# Altium PCB A_base2017.PcbDoc (part 1 of 4) (continued)
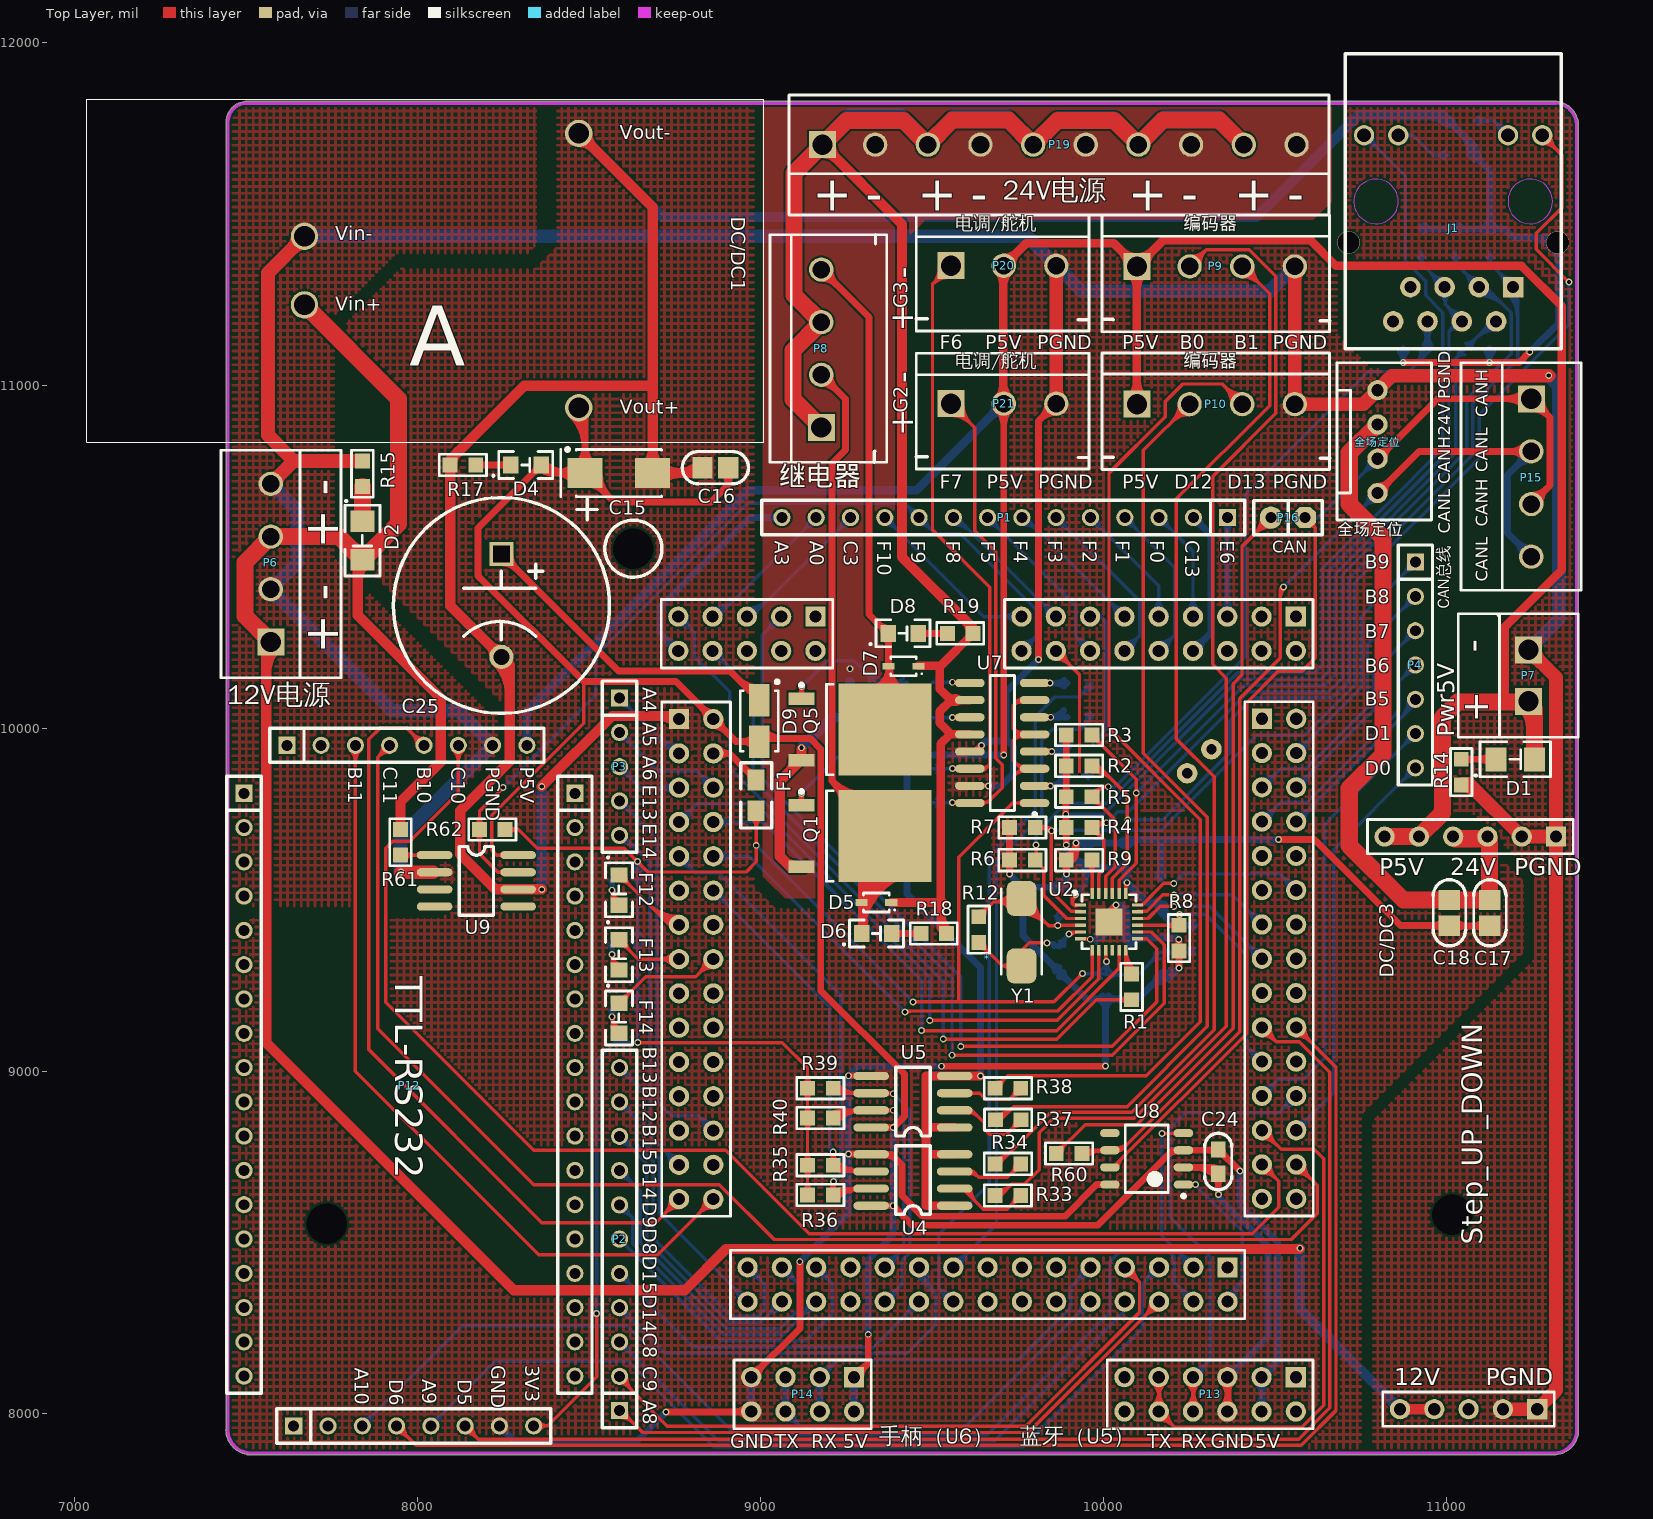
[diagram p0: Top Layer view]
## Footprints (in the part's own frame and the unit in brackets; to place one, negate y for a bottom-side part, rotate by r counter-clockwise, add the part's x,y. Pads: shape width x height; smd on the part's side, far side on the other; paste and mask are expansions set on the pad) (continued)
  round 1.524 hole 0.762: 119(-13.538,14.293) 120(-11.76,12.497)
  silkscreen extent -24.64,-26.47 28.65,21.84
TJA1050 [mm] "SOIC, 8-Leads, Body 4.90x3.90mm, Pitch 1.27mm, IPC Medium Density"
  oval 1.45x0.6 smd: 1(-2.725,1.905) 2(-2.725,0.635) 3(-2.725,-0.635) 4(-2.725,-1.905) 5(2.725,-1.905) 6(2.725,-0.635) 7(2.725,0.635) 8(2.725,1.905)
  silkscreen extent -2.85,-2.5 1.6,2.88, body extent -2,-2.5 2,2.5, height 1.75
TTL-RS232_V5 [mil]
  rect 50x50 hole 32: 1(-1023,350) 1(822,-470) 1(822,495) 9(962,370)
  round 50 hole 32: 1(-878,-470) 1(-878,495) 1(-778,-470) 1(-778,495) 1(-678,-470) 1(-678,495) 1(-578,-470) 1(-578,495) 1(-478,495) 1(-478,-470) 1(-378,495) 1(-378,-470) 1(-278,495) 1(-278,-470) 1(-178,495) 1(-178,-470) 1(-78,495) 1(-78,-470) 1(22,495) 1(22,-470) 1(122,495) 1(122,-470) 1(222,495) 1(222,-470) 1(322,495) 1(322,-470) 1(422,495) 1(422,-470) 1(522,-470) 1(522,495) 1(622,-470) 1(622,495) 1(722,-470) 1(722,495) 2(-1023,250) 3(-1023,150) 4(-1023,50) 5(-1023,-50) 6(-1023,-150) 7(-1023,-250) 8(-1023,-350) 10(962,270) 11(962,170) 12(962,70) 13(962,-30) 14(962,-130) 15(962,-230) 16(962,-330)
  silkscreen extent -1073,-520 1012,545

## Part data
C1 C2 C3 C4 C5 C6 C7 C8 C9 C10 C11 C12 C13 C14 C24: library part CAP
C25: library part CAP-ELE, "电解电容"
D5 D7 D9: library part DIODE-Schottky, "肖特基二极管"
D6 D8: library part LED, "LED"
DC/DC1: "12ת5"
DC/DC3: library part Step_DOWN
F1: library part 00-FUSE, "FUSE"
P1: "Header, 14-Pin"
P2: "Header, 11-Pin"
P3: "Header, 5-Pin"
P4: "Header, 7-Pin"
P6 P8 P9 P10 P15 全场定位: "Header, 4-Pin"
P7 P16: "Header, 2-Pin"
P13: "Header, 6-Pin, Dual row"
P14: "Header, 4-Pin, Dual row"
P19: "Header, 10-Pin"
P20 P21: "Header, 3-Pin"
Q1 Q5: "IRF530"
R1 R2 R3 R4 R5 R6 R7 R8 R9 R10 R11 R12 R13 R14 R15 R18 R19 R21 R22 R27 R28 R30 R31 R33 R34 R35 R36 R37 R38 R39 R40 R60 R61 R62: library part RES, "电阻"
R17 R45 R46 R49 R50 R56 R57 R58: "电阻"
U2: library part LAN8720, "ETH PHY"
U7: library part IC-TLP521-4, "TLP521-4,TLP281-4"
U8: "CAN总线收发器"
Y1: library part C-Osc, "Crystal Oscillator"

## Free pads (board coordinates)
  round 30 hole 118.11: 0(7734.41,8555.12) 0(11016.89,8580.71) 3(8628.94,10523.62)

## Via types
v1: diameter 20, hole 12, Top Layer to Bottom Layer, 86 vias
v2: diameter 12, hole 12, Top Layer to Bottom Layer, 1 vias

## Nets (pads, with @x,y where several pads share a name; then routed paths per layer and width w, separated by ;. In a path a pad name is that pad's centre, name@x,y a point inside that pad or via, vN(x,y) a via of type N, cw(c..) or ccw(c..) an arc to the next point about the centre after c; other vN are vias at no path point)
3V3: C8.2 C12.2 F1.2 P12.8 R13.1 R35.2 R36.2 R39.2 R40.2 R56.2 R57.2 R58.2 R62.1 U2.9 U7.1 U7.3 U7.5 U7.7 | length 8441.7
  Top Layer w10: R62.1@8254.92,9704.72 8293.2,9704.72 ; R62.1@8267.11,9693.37 cw(c8293.2,9669.07) 8293.2,9704.72 ; R62.1@8267.11,9716.08 ccw(c8293.2,9740.38) 8293.2,9704.72 ; P12.8@8338.19,7965.19 8378.57,7965.19 ; P12.8@8354.1,7953.07 cw(c8378.57,7934.42) 8378.57,7965.19 ; P12.8@8354.1,7977.31 ccw(c8378.57,7995.96) 8378.57,7965.19 ; v1@8518.12,8289.77 cw(c8509.58,8281.24) 8521.65,8281.24 cw(c8533.72,8281.24) v1@8525.19,8289.77 ; v1(8521.65,8293.31) 8521.65,8108.27 8378.57,7965.19 ; v1@8635.75,9611.22 ccw(c8623.68,9611.22) 8632.21,9619.76 ccw(c8640.75,9628.29) v1@8640.75,9616.22 ; v1@8640.75,9606.22 cw(c8640.75,9594.15) 8649.28,9602.68 cw(c8657.82,9611.22) v1@8645.75,9611.22 ; v1(8641.73,9083) 9063.65,9083 9136.81,9009.84 R39.2@9136.81,8949.8 R40.2@9136.81,8863.19 R35.2@9136.81,8725.39 R36.2@9136.81,8638.78 ; v1@8645.27,9079.46 cw(c8653.8,9070.93) 8653.8,9083 cw(c8653.8,9095.07) v1@8645.27,9086.54 ; F1.2@8972.86,9739.86 cw(c8938.22,9705.22) 8987.2,9705.22 ; v1@8983.67,9654.93 cw(c8975.13,9646.39) 8987.2,9646.39 cw(c8999.28,9646.39) v1@8990.74,9654.93 ; v1@8983.67,9662 ccw(c8975.13,9670.54) 8987.2,9670.54 ccw(c8999.28,9670.54) v1@8990.74,9662 ; 8987.2,9706.21 cw(c9034.79,9706.21) F1.2@9001.14,9739.86 ; F1.2@8987.2,9759.84 8987.2,9610.24 8957.67,9580.71 8671.26,9580.71 v1(8640.75,9611.22) 8602.37,9649.6 8348.32,9649.6 8293.2,9704.72 ; R36.2@9125.04,8650.56 ccw(c9096.61,8678.98) 9136.81,8678.98 ccw(c9177.02,8678.98) R36.2@9148.59,8650.56 ; R35.2@9125.04,8713.62 cw(c9096.61,8685.19) 9136.81,8685.19 cw(c9177.02,8685.19) R35.2@9148.59,8713.62 ; R35.2@9125.04,8737.17 ccw(c9096.61,8765.6) 9136.81,8765.6 ccw(c9177.02,8765.6) R35.2@9148.59,8737.17 ; R40.2@9125.04,8851.41 cw(c9096.61,8822.98) 9136.81,8822.98 cw(c9177.02,8822.98) R40.2@9148.59,8851.41 ; R40.2@9125.04,8874.97 ccw(c9096.61,8903.39) 9136.81,8903.39 ccw(c9177.02,8903.39) R40.2@9148.59,8874.97 ; R39.2@9125.04,8938.03 cw(c9096.61,8909.6) 9136.81,8909.6 cw(c9177.02,8909.6) R39.2@9148.59,8938.03 ; R39.2@9125.04,8961.58 ccw(c9096.61,8990.01) 9136.81,8990.01 ccw(c9177.02,8990.01) R39.2@9148.59,8961.58 ; v1(9443.9,9201.77) 9577.76,9201.77 ; v1@9447.43,9198.24 cw(c9455.97,9189.7) 9455.97,9201.77 cw(c9455.97,9213.84) v1@9447.43,9205.31 ; 9740.16,9781.81 9740.16,9862.32 U7.3@9759.65,9881.81 ; 9742.31,9864.48 cw(c9767.72,9839.07) U7.3@9767.72,9875 ; 9742.98,9898.87 ccw(c9767.72,9923.6) U7.3@9767.72,9888.62 ; 9748.63,10079.45 cw(c9763.34,10064.74) U7.7@9768.51,10084.9 ; 9750.54,9979.01 cw(c9765.38,9964.18) U7.5@9768.14,9984.97 ; 9750.54,9984.61 ccw(c9765.38,9999.45) U7.5@9768.14,9978.65 ; U7.1@9762.9,9776.99 ccw(c9751.27,9765.37) 9751.27,9781.81 ccw(c9751.27,9798.25) U7.1@9762.9,9786.63 ; U7.7@9762.9,10076.99 ccw(c9751.27,10065.37) 9751.27,10081.81 ccw(c9751.27,10098.25) U7.7@9762.9,10086.63 ; U7.7@9766.03,10075.21 ccw(c9758.29,10044.98) 9736.22,10067.05 ; U7.5@9766.82,9975.06 ccw(c9762.03,9938.88) 9736.22,9964.69 ; U7.5@9766.82,9988.56 cw(c9762.03,10024.74) 9736.22,9998.94 ; U7.1@9799.21,9781.81 9735.55,9781.81 9577.76,9624.02 9577.76,9201.77 ; U7.3@9799.21,9881.81 9760.04,9881.81 9736.22,9905.63 9736.22,9964.69 ; U7.7@9799.21,10081.81 9750.98,10081.81 9736.22,10067.05 ; v1@9933.3,9284.45 cw(c9921.23,9284.45) 9929.76,9275.91 cw(c9938.3,9267.38) v1@9938.3,9279.45 ; v1(9938.3,9284.45) 9855.62,9201.77 9577.76,9201.77 ; 10006.18,9336.63 ccw(c10025.48,9336.63) v1@10011.83,9322.98 ; U2.9@10006.18,9352.51 10006.18,9321.57 v1(10008.3,9319.45) ; 9736.22,9964.69 9753.35,9981.81 9736.22,9998.94 ; 9736.22,9998.94 9736.22,10067.05
  Bottom Layer w10: v1@8518.12,8296.84 ccw(c8509.58,8305.38) 8521.65,8305.38 ccw(c8533.72,8305.38) v1@8525.19,8296.84 ; v1(8521.65,8293.31) 8521.65,9031.5 8573.16,9083 8642,9083 8642,9165.09 ; R58.2@8629.96,9204.69 ccw(c8601.53,9233.12) 8641.73,9233.12 ccw(c8681.94,9233.12) R58.2@8653.51,9204.69 ; R57.2@8629.96,9371.1 cw(c8601.53,9342.67) 8641.73,9342.67 cw(c8681.94,9342.67) R57.2@8653.51,9371.1 ; R57.2@8629.96,9394.65 ccw(c8601.53,9423.08) 8641.73,9423.08 ccw(c8681.94,9423.08) R57.2@8653.51,9394.65 ; R56.2@8629.96,9560.07 cw(c8601.53,9531.65) 8641.73,9531.65 cw(c8681.94,9531.65) R56.2@8653.51,9560.07 ; R56.2@8629.96,9583.63 ccw(c8603.9,9609.68) v1@8640.75,9609.68 ; R58.2@8633.99,9178.17 cw(c8627.26,9165.36) 8641.73,9165.36 ; v1@8636.42,9608.72 cw(c8624.78,9602) 8637.76,9598.53 ; v1@8637.21,9607.68 cw(c8628.68,9599.15) 8640.75,9599.15 cw(c8652.82,9599.15) v1@8644.28,9607.68 ; v1@8638.2,9079.46 ccw(c8629.66,9070.93) 8629.66,9083 ccw(c8629.66,9095.07) 8638.2,9086.54 ccw(c8629.01,9095.72) 8642,9095.72 ; 8638.26,9600.39 cw(c8648.6,9597.62) v1@8643.25,9606.89 ; v1@8638.25,9606.89 cw(c8632.21,9596.44) 8643.87,9599.56 cw(c8655.53,9602.68) v1@8645.08,9608.72 ; 8642,9094.42 ccw(c8653.16,9094.42) v1@8645.27,9086.54 ; R58.2@8649.48,9178.17 ccw(c8656.21,9165.36) 8641.73,9165.36 ; R56.2@8652.82,9584.28 cw(c8676.85,9611.22) v1(8640.75,9611.22) 8640.75,9572.83 R56.2@8641.73,9571.85 R57.2@8641.73,9382.87 8641.73,9165.35 ; v1@8987.2,9653.46 cw(c8987.2,9641.39) 8995.74,9649.93 cw(c9004.28,9658.46) v1@8992.2,9658.46 ; v1(8987.2,9658.46) v1(9443.9,9201.77) ; v1@9438.9,9201.77 ccw(c9426.83,9201.77) 9435.36,9210.31 ccw(c9443.9,9218.84) v1@9443.9,9206.77 ; v1(9938.3,9284.45) 10002.68,9284.45 C8.2@10006.02,9281.1 10101.02,9281.1 C12.2@10166.02,9346.1 R13.1@10266.02,9346.1 ; v1@9941.83,9280.91 cw(c9950.37,9272.38) 9950.37,9284.45 cw(c9950.37,9296.52) v1@9941.83,9287.98 ; 9962.49,9284.45 cw(c9962.49,9239.54) C8.2@9994.25,9271.29 ; 9969.15,9284.45 ccw(c9969.15,9319.95) C8.2@9994.25,9294.85 ; C8.2@9996.47,9296.71 ccw(c9980.54,9319.45) v1(10008.3,9319.45) C8.2@10008.3,9283.38 ; v1@10003.97,9316.95 cw(c9993.51,9310.91) 10005.18,9307.79 cw(c10016.83,9304.67) v1@10010.8,9315.12 ; v1@10004.76,9315.91 cw(c9996.23,9307.38) 10008.3,9307.38 cw(c10020.37,9307.38) v1@10011.83,9315.91 ; v1@10005.8,9315.12 cw(c10000.5,9305.94) 10010.74,9308.68 ; v1@10008.3,9317.78 ccw(c10040.73,9317.78) C8.2@10017.8,9294.85 ; 10011.28,9306.67 cw(c10024.36,9310.18) v1@10012.63,9316.95 ; C8.2@10017.8,9269.33 cw(c10046.23,9240.9) 10046.23,9281.1 cw(c10046.23,9321.31) C8.2@10017.8,9292.88 ; 10134.23,9314.31 cw(c10166.02,9282.52) C12.2@10166.02,9327.48 ; 10138.99,9319.06 ccw(c10113.92,9344.13) C12.2@10149.37,9344.13 ; C12.2@10177.8,9334.33 cw(c10206.23,9305.9) 10206.23,9346.1 cw(c10206.23,9386.31) C12.2@10177.8,9357.88 ; 10220.38,9346.1 ccw(c10220.38,9399.62) R13.1@10258.22,9361.78 ; 10239.2,9346.1 cw(c10239.2,9319.2) R13.1@10258.22,9338.22 ; 10244.53,9346.1 ccw(c10244.53,9375.47) R13.1@10265.3,9354.7
3V3_E: C1.2 C9.2 C10.2 C13.2 J1.4 J1.5 R2.2 R3.2 R4.2 R5.2 R13.2 U2.1 U2.19 | length 4858.5
  Top Layer w10: 9908.3,9487.52 cw(c9934.96,9487.52) v1@9920.93,9510.2 ; 9908.3,9505.47 cw(c9923.85,9505.47) v1@9915.67,9518.7 ; v1@9913.3,9514.45 cw(c9901.23,9514.45) 9909.76,9505.91 cw(c9918.3,9497.38) v1@9918.3,9509.45 ; v1(9918.3,9514.45) 9908.3,9504.45 9908.3,9489.45 ; U2.1@9922.48,9484.37 cw(c9920.76,9501.91) 9908.3,9489.45 ; U2.1@9922.53,9484.39 cw(c9917.94,9489.09) 9913.3,9484.45 ; U2.1@9933.3,9484.45 9913.3,9484.45 ; U2.19@10065.24,9517.96 10065.24,9546.39 v1(10068.3,9549.45) ; U2.19@10065.24,9529.98 cw(c10087.76,9529.98) v1@10071.83,9545.91 ; 9908.3,9489.45 9913.3,9484.45
  Top Layer w20: R4.2@9882.98,9702 cw(c9862.42,9681.44) 9891.5,9681.44 ; R4.2@9882.98,9718.48 ccw(c9866.6,9734.85) 9889.76,9734.85 ; R5.2@9882.98,9792 cw(c9866.6,9775.62) 9889.76,9775.62 ; R5.2@9882.98,9808.48 ccw(c9863.09,9828.37) 9891.22,9828.37 ccw(c9919.35,9828.37) R5.2@9899.46,9808.48 ; R2.2@9882.98,9882 cw(c9863.09,9862.1) 9891.22,9862.1 cw(c9919.35,9862.1) R2.2@9899.46,9882 ; R2.2@9882.98,9898.48 ccw(c9863.09,9918.37) 9891.22,9918.37 ccw(c9919.35,9918.37) R2.2@9899.46,9898.48 ; R3.2@9882.98,9972 cw(c9863.09,9952.1) 9891.22,9952.1 cw(c9919.35,9952.1) R3.2@9899.46,9972 ; R4.2@9889.76,9711.69 v1(9889.76,9749) R5.2@9889.76,9798.78 ; v1@9889.76,9741.89 ccw(c9922.87,9741.89) R4.2@9899.46,9718.48 ; 9889.76,9768.58 cw(c9922.87,9768.58) R5.2@9899.46,9792 ; R5.2@9891.22,9800.24 R2.2@9891.22,9890.24 R3.2@9891.22,9980.24 ; v1(9891.5,9659.45) R4.2@9891.5,9709.96 ; 9891.5,9682.77 cw(c9918.69,9682.77) R4.2@9899.46,9702
  Bottom Layer w10: v1(9889.76,9749) 10000.98,9749.02 10395.39,10143.42 10635.54,10143.42 10657.48,10165.35 10657.48,10458.5 11007.54,10808.55 11007.54,11157.14 ; v1@9893.3,9745.46 cw(c9901.87,9736.89) 9901.87,9749.02 ; v1@9893.3,9752.54 ccw(c9901.8,9761.03) 9901.8,9749.02 ; v1(9918.3,9514.45) 9951.02,9547.17 C9.2@9951.02,9594.37 ; v1@9918.3,9519.45 ccw(c9918.3,9531.52) 9926.83,9522.98 ccw(c9935.37,9514.45) v1@9923.3,9514.45 ; C9.2@9939.25,9580.63 cw(c9910.82,9552.2) 9951.02,9552.2 cw(c9991.23,9552.2) C9.2@9962.8,9580.63 ; v1@10066.02,9551.72 v1(10068.3,9549.45) ; C13.2@10165.5,9489.89 C13.2@10166.02,9489.37 ; C1.2@10917.25,11373.4 cw(c10905.89,11356.26) 10926.46,11356.26 ; C1.2@10926.46,11389.25 10926.46,11356.26 ; C1.2@10935.66,11373.4 ccw(c10947.02,11356.26) 10926.46,11356.26 ; 10951.2,11331.51 cw(c10906.11,11286.42) J1.5@10969.88,11286.42 ; 10954.62,11328.09 ccw(c10994.88,11368.35) J1.5@10994.88,11311.42 ; 10968.27,11314.44 cw(c10940.25,11286.42) J1.5@10979.88,11286.42 ; 10971.69,11311.02 ccw(c10994.88,11334.21) J1.5@10994.88,11301.42 ; J1.5@10980.86,11265.72 cw(c10960.82,11236.16) 10996.54,11236.16 cw(c11037.31,11236.16) J1.5@11011.01,11267.31 ; J1.5@10986.47,11274 cw(c10973.6,11255.01) 10996.54,11255.01 ; 11001.2,11231.51 cw(c10956.11,11186.42) 11019.88,11186.42 cw(c10979.01,11186.42) 11007.91,11157.52 ; 11004.62,11228.09 ccw(c11044.88,11268.35) J1.4@11044.88,11211.42 ; 11018.27,11214.44 cw(c10990.25,11186.42) J1.4@11029.88,11186.42 ; 11018.38,11167.99 cw(c11032.33,11154.05) J1.4@11039.46,11172.43 ; 11021.69,11211.02 ccw(c11044.88,11234.21) J1.4@11044.88,11201.42 ; J1.4@11035.84,11163.11 ccw(c11026.27,11138.41) 11007.54,11157.14 ; 10926.46,11356.26 10996.54,11286.18 10996.54,11236.18 11046.54,11186.18 11036.57,11186.18 11007.54,11157.14
  Bottom Layer w20: 9901.77,9634.65 cw(c9926.57,9659.45) v1(9891.5,9659.45) 9891.5,9644.92 9942.05,9594.37 C9.2@9951.02,9594.37 C10.2@10066.02,9594.37 v1@10066.02,9551.72 ; 9912.45,9623.97 ccw(c9951.02,9662.55) C9.2@9951.02,9607.99 ; C9.2@9959.26,9586.13 cw(c9979.16,9566.24) 9979.16,9594.37 cw(c9979.16,9622.5) C9.2@9959.26,9602.61 ; C10.2@10057.78,9584.16 cw(c10037.89,9564.27) 10066.02,9564.27 cw(c10094.16,9564.27) C10.2@10074.26,9584.16 ; C10.2@10057.78,9586.13 ccw(c10037.89,9566.24) 10037.89,9594.37 ccw(c10037.89,9622.5) C10.2@10057.78,9602.61 ; v1(10068.3,9549.45) 10127.86,9489.89 C13.2@10165.5,9489.89 ; 10136.63,9489.89 cw(c10136.63,9459.98) C13.2@10157.78,9481.13 ; 10139.14,9489.89 ccw(c10139.14,9516.25) C13.2@10157.78,9497.61 ; C13.2@10157.68,9487.4 ccw(c10194.27,9487.4) 10168.4,9461.53 ; C13.2@10158.97,9478.13 cw(c10148.15,9463.9) 10166.02,9463.9 ; C13.2@10166.02,9489.37 10166.02,9463.9 ; C13.2@10173.08,9478.13 ccw(c10183.9,9463.9) 10166.02,9463.9 ; C13.2@10177.68,9487.4 ccw(c10262.55,9487.4) 10202.54,9427.38 ; R13.2@10261.76,9416.56 ccw(c10241.87,9396.67) 10241.87,9424.8 ccw(c10241.87,9452.94) R13.2@10261.76,9433.04 ; R13.2@10266.02,9424.8 10205.12,9424.8 10166.02,9463.9
5V: *.30 C15.1 C16.2 C24.1 D4.1 D9.A DC/DC1.Vout+ P13.3 P13.4 P14.1 P14.2 U4.8 U5.8 U8.3 U9.8 | length 9019.3
  Top Layer w10: U9.8@8248.07,9624.97 ccw(c8236.12,9613.02) 8236.12,9629.92 ccw(c8236.12,9646.82) U9.8@8248.07,9634.87 ; U9.8@8292.83,9629.92 8230.32,9629.92 8215.55,9644.69 8215.55,9745.95 8484.25,10014.65 8484.25,10135.83
  Top Layer w20: 8334.05,10742.11 cw(c8359.65,10716.5) D4.1@8359.65,10752.72 ; D4.1@8340.08,10748.15 ccw(c8323.01,10765.22) D4.1@8347.15,10765.22 ; D4.1@8354.35,10759.91 ccw(c8392.54,10798.1) 8392.54,10744.09 ; D4.1@8360.43,10752.74 cw(c8362.27,10723.09) 8383.27,10744.1 ; D4.1@8368.49,10774.06 ccw(c8440.82,10846.39) C15.1@8440.82,10744.09 ; D4.1@8372.15,10765.22 ccw(c8396.3,10765.22) D4.1@8379.22,10748.15 ; DC/DC1.Vout+@8448.47,10913.43 cw(c8352.59,10817.55) 8488.19,10817.55 ; C15.1@8456.76,10720.54 ccw(c8399.9,10663.68) 8399.9,10744.09 ccw(c8399.9,10824.5) C15.1@8456.76,10767.65 ; DC/DC1.Vout+@8462.61,10927.57 cw(c8400.87,10865.83) 8488.19,10865.83 ; C15.1@8464.64,10767.65 ccw(c8407.78,10824.5) 8488.19,10824.5 ccw(c8568.6,10824.5) C15.1@8511.74,10767.65 ; DC/DC1.Vout+@8468.7,10935.63 8488.19,10916.14 C15.1@8488.19,10744.09 ; C15.1@8496.06,10710.79 cw(c8496.06,10649.39) 8539.48,10692.8 ; C15.1@8509.37,10744.09 ccw(c8560.51,10744.09) C15.1@8524.35,10707.94 ; C15.1@8529.37,10744.09 ccw(c8628.79,10744.09) 8558.49,10673.79 ; *.30@8842.44,10026.51 ccw(c8795.3,10026.51) 8828.63,10059.85 ccw(c8861.97,10093.18) *.30@8861.97,10046.04 ; *.30@8861.97,10006.98 cw(c8861.97,9959.84) 8895.3,9993.18 cw(c8928.64,10026.51) *.30@8881.5,10026.51 ; C16.2@8891.7,10744.07 cw(c8858.37,10710.73) 8905.51,10710.73 cw(c8952.66,10710.73) C16.2@8919.32,10744.07 ; C16.2@8905.51,10759.84 8905.51,10709.65 8855.32,10659.45 8572.83,10659.45 C15.1@8488.19,10744.09 ; D9.A@8981.5,9946.46 ccw(c8946.48,9911.44) 8946.48,9960.96 ccw(c8946.48,10010.48) D9.A@8981.5,9975.46 ; D9.A@8983.41,9973.55 8970.83,9960.96 8927.52,9960.96 *.30@8861.97,10026.51 8752.65,10135.83 8484.25,10135.83 8176.18,10443.9 8176.18,10584.24 D4.1@8359.65,10767.72 8383.28,10744.09 C15.1@8488.19,10744.09 ; D9.A@8996,9960.96 9005.04,9970 9144.84,9970 9175.2,9939.64 9175.2,9235.24 9419.29,8991.14 9419.29,8868.11 v1(9386.81,8835.63) U5.8@9322.32,8835.63 ; D9.A@9010.5,9963.19 cw(c9026.95,9946.75) 9026.95,9970 ; D9.A@9010.5,9992.2 ccw(c9064.09,10045.79) 9064.09,9970 ; P14.1@9272.64,8107.28 9313.98,8148.62 v1(9313.98,8232.28) ; P14.1@9272.64,8126.81 ccw(c9272.64,8173.95) 9305.97,8140.62 ccw(c9339.31,8107.28) P14.1@9292.17,8107.28 ; U4.8@9322.32,8607.28 v1(9385.83,8607.28) 9442.91,8550.2 9982.28,8550.2 10201.18,8769.09 ; 10187.23,8755.15 cw(c10216.54,8725.84) U8.3@10216.54,8767.28 ; U8.3@10233.27,8769.09 C24.1@10332.09,8769.09 ; 10305.09,8769.09 ccw(c10305.09,8799.24) C24.1@10326.41,8777.93 ; 10307.94,8769.09 cw(c10307.94,8742.98) C24.1@10326.41,8761.44 ; C24.1@10334.65,8758.03 cw(c10334.65,8725.15) 10357.9,8748.4 ; C24.1@10334.65,8771.65 v1(10397.64,8708.66) ; C24.1@10346.3,8769.68 ccw(c10369.68,8769.68) C24.1@10353.15,8753.15
  Bottom Layer w20: P14.2@9258.83,8021.09 ccw(c9225.49,8054.43) 9272.64,8054.43 ccw(c9319.78,8054.43) P14.2@9286.45,8021.09 ; P14.1@9258.83,8093.48 cw(c9225.49,8060.14) 9272.64,8060.14 cw(c9319.78,8060.14) P14.1@9286.45,8093.48 ; P14.2@9272.64,8007.28 P14.1@9272.64,8107.28 ; v1(9313.98,8232.28) 9313.98,8450.79 9385.83,8522.64 v1(9385.83,8607.28) ; v1@9386.81,8607.28 v1(9386.81,8835.63) ; v1(10397.64,8708.66) 10397.64,8611.49 10507.87,8501.25 10507.87,8154.13 10462.99,8109.25 P13.4@10462.99,8025.98 ; P13.4@10447.22,8021.09 ccw(c10409.13,8059.18) 10462.99,8059.18 ; P13.3@10447.22,8093.48 cw(c10409.13,8055.39) 10462.99,8055.39 ; P13.3@10461.02,8126.81 ccw(c10461.02,8173.95) 10494.36,8140.62 ccw(c10527.69,8107.28) P13.3@10480.55,8107.28 ; 10462.99,8049.67 ccw(c10503.41,8049.67) P13.4@10474.83,8021.09 ; 10462.99,8064.89 cw(c10503.41,8064.89) P13.3@10474.83,8093.48
12V: D2.1 DC/DC1.Vin+ DC/DC3.4 DC/DC3.5 P6.1 P6.3 R61.1 | length 8038.7
  Top Layer w30: 7558.07,10160.81 cw(c7662.34,10160.81) P6.1@7588.61,10234.54 ; P6.1@7558.07,10238.46 7558.07,9082.68 8279.53,8361.22 8779.53,8361.22 8899.61,8481.3 v1@10572.83,8481.3 ; 7825.28,10430.15 cw(c7895.68,10430.15) D2.1@7845.9,10479.93 ; D2.1@7825.28,10477.94 7825.28,10329.1 8066.93,10087.45 8066.93,9902.56 7949.8,9785.43 R61.1@7949.8,9704.72 ; DC/DC3.5@10864.8,8013.9 DC/DC3.4@10964.8,8013.9 ; DC/DC3.5@10875.08,8003.63 cw(c10899.88,7978.83) 10899.88,8013.9 cw(c10899.88,8048.97) DC/DC3.5@10875.08,8024.17 ; DC/DC3.4@10954.53,8003.63 ccw(c10929.73,7978.83) 10929.73,8013.9 ccw(c10929.73,8048.97) DC/DC3.4@10954.53,8024.17
  Top Layer w40: P6.1@7558.07,10238.46 P6.1@7571.38,10251.77 ; D2.1@7825.28,10477.94 D2.1@7838.58,10491.24
  Top Layer w50: P6.1@7571.38,10251.77 7496.06,10327.09 7496.06,10483.54 P6.3@7571.38,10558.86 7770.3,10558.86 7837.91,10491.24 D2.1@7838.58,10491.24 7839.25,10491.24 7943.9,10595.89 7943.9,10960.43 DC/DC1.Vin+@7668.7,11235.63
  Bottom Layer w30: v1@10572.32,8483.27 10572.32,8306.38 DC/DC3.5@10864.8,8013.9 ; DC/DC3.5@10850.28,8013.9 ccw(c10815.2,8013.9) 10840,8038.7 ccw(c10864.8,8063.5) DC/DC3.5@10864.8,8028.43
  other v1: 10572.83,8483.27
24V: C17.1 C18.2 DC/DC3.8 DC/DC3.9 全场定位.3 | length 2097.9
  Top Layer w50: 全场定位.3@10799.21,10885.83 10716.54,10803.15 10716.54,10653.54 10814.96,10555.12 10814.96,9923.23 10716.54,9824.8 10716.54,9657.48 10875,9499.02 11125.98,9499.02 11125.98,9677.72 DC/DC3.9@11025.98,9677.72
B0: P9.2 R33.1 | length 3785.6
  Top Layer w10: R33.1@9683.63,8636.99 9699.57,8636.99 9732.22,8669.65 ; R33.1@9684.42,8643.6 ccw(c9689.22,8683.55) 9717.67,8655.1 ; R33.1@9685.62,8653.53 ccw(c9692.34,8709.52) 9732.22,8669.64 ; P9.2@10251.04,11346.7 10299.48,11395.13 10424.65,11395.13 10502.25,11317.53 10502.25,10918.25 10318,10734 10318,10185.94 10358.27,10145.67 10358.27,9130.81 10089.46,8862 9854,8862 9812.01,8820.01 9812.01,8712.6 9769.06,8669.65 9732.22,8669.65 ; P9.2@10252.08,11367.11 ccw(c10254.19,11408.58) 10283.56,11379.22 ccw(c10312.93,11349.85) P9.2@10271.45,11347.74 ; P9.2@10252.59,11377.09 ccw(c10255.73,11438.87) 10299.47,11395.13 ccw(c10343.21,11351.39) P9.2@10281.44,11348.25
B1: P9.3 R34.1 | length 3524.2
  Top Layer w10: R34.1@9671.75,8718.01 9683.07,8729.33 9694.88,8729.33 9845.55,8880 10082,8880 10322.83,9120.83 10322.83,9858.27 10212.6,9968.5 10212.6,10668.6 10484.25,10940.25 10484.25,11267.03 P9.3@10404.59,11346.7 ; R34.1@9684.06,8735.98 ccw(c9684.06,8778.18) 9713.9,8748.34 ; R34.1@9684.06,8745.98 ccw(c9684.06,8812.33) 9730.97,8765.42 ; R34.1@9700.71,8729.33 cw(c9714.78,8729.33) R34.1@9704.83,8739.28 ; P9.3@10404.59,11316.27 cw(c10404.59,11242.8) 10456.54,11294.75 cw(c10508.49,11346.7) P9.3@10435.02,11346.7 ; P9.3@10404.59,11326.27 cw(c10404.59,11276.94) 10439.47,11311.82 cw(c10474.35,11346.7) P9.3@10425.02,11346.7
CANH: P15.1 P15.3 P16.2 U8.7 全场定位.2 | length 4017.4
  Top Layer w10: U8.7@10018.7,8719.09 10027.55,8719.09 10417.32,9108.87 10417.32,10074.8 10507.87,10165.35 10578.74,10165.35 10618.11,10204.72 10618.11,10584.25 ; U8.7@10042.24,8719.09 cw(c10077.72,8719.09) 10052.63,8744.18 ; P16.2@10588.19,10614.17 10618.11,10584.25 ; P16.2@10596.28,10589.47 cw(c10602.95,10569.1) 10618.11,10584.25 ; P16.2@10612.9,10606.08 ccw(c10633.26,10599.41) 10618.11,10584.25
  Top Layer w20: 全场定位.2@10799.21,10785.83 10974.21,10960.83 P15.1@11247.52,10960.83 11302.21,10906.14 11302.21,10708.43 P15.3@11247.52,10653.74 ; 全场定位.2@10799.21,10805.35 ccw(c10799.21,10852.5) 10832.55,10819.16 ccw(c10865.88,10785.83) 全场定位.2@10818.74,10785.83 ; P15.1@11226.75,10940.06 ccw(c11176.61,10889.92) 11176.61,10960.83 ccw(c11176.61,11031.73) P15.1@11226.75,10981.59 ; P15.3@11247.52,10679.17 ccw(c11247.52,10740.57) 11290.94,10697.16 ccw(c11334.35,10653.74) P15.3@11272.95,10653.74 ; P15.1@11247.52,10931.46 cw(c11247.52,10860.55) 11297.66,10910.69 cw(c11347.8,10960.83) P15.1@11276.89,10960.83
  Bottom Layer w10: P16.2@10584.25,10614.17 10627.56,10614.17 ; P16.2@10612.1,10603.97 cw(c10627.56,10597.37) 10627.56,10614.17 ; P16.2@10612.1,10624.38 ccw(c10627.56,10630.98) 10627.56,10614.17 ; 全场定位.2@10774.69,10785.83 cw(c10715.47,10785.83) 10757.34,10743.96 cw(c10799.21,10702.08) 全场定位.2@10799.21,10761.3 ; 全场定位.2@10784.69,10785.83 cw(c10749.61,10785.83) 10774.41,10761.03 cw(c10799.21,10736.23) 全场定位.2@10799.21,10771.3 ; 全场定位.2@10799.21,10785.83 10627.56,10614.17